# Altium PCB radxa_cm5_io_board_v2200.PcbDoc (part 1 of 8) (continued)
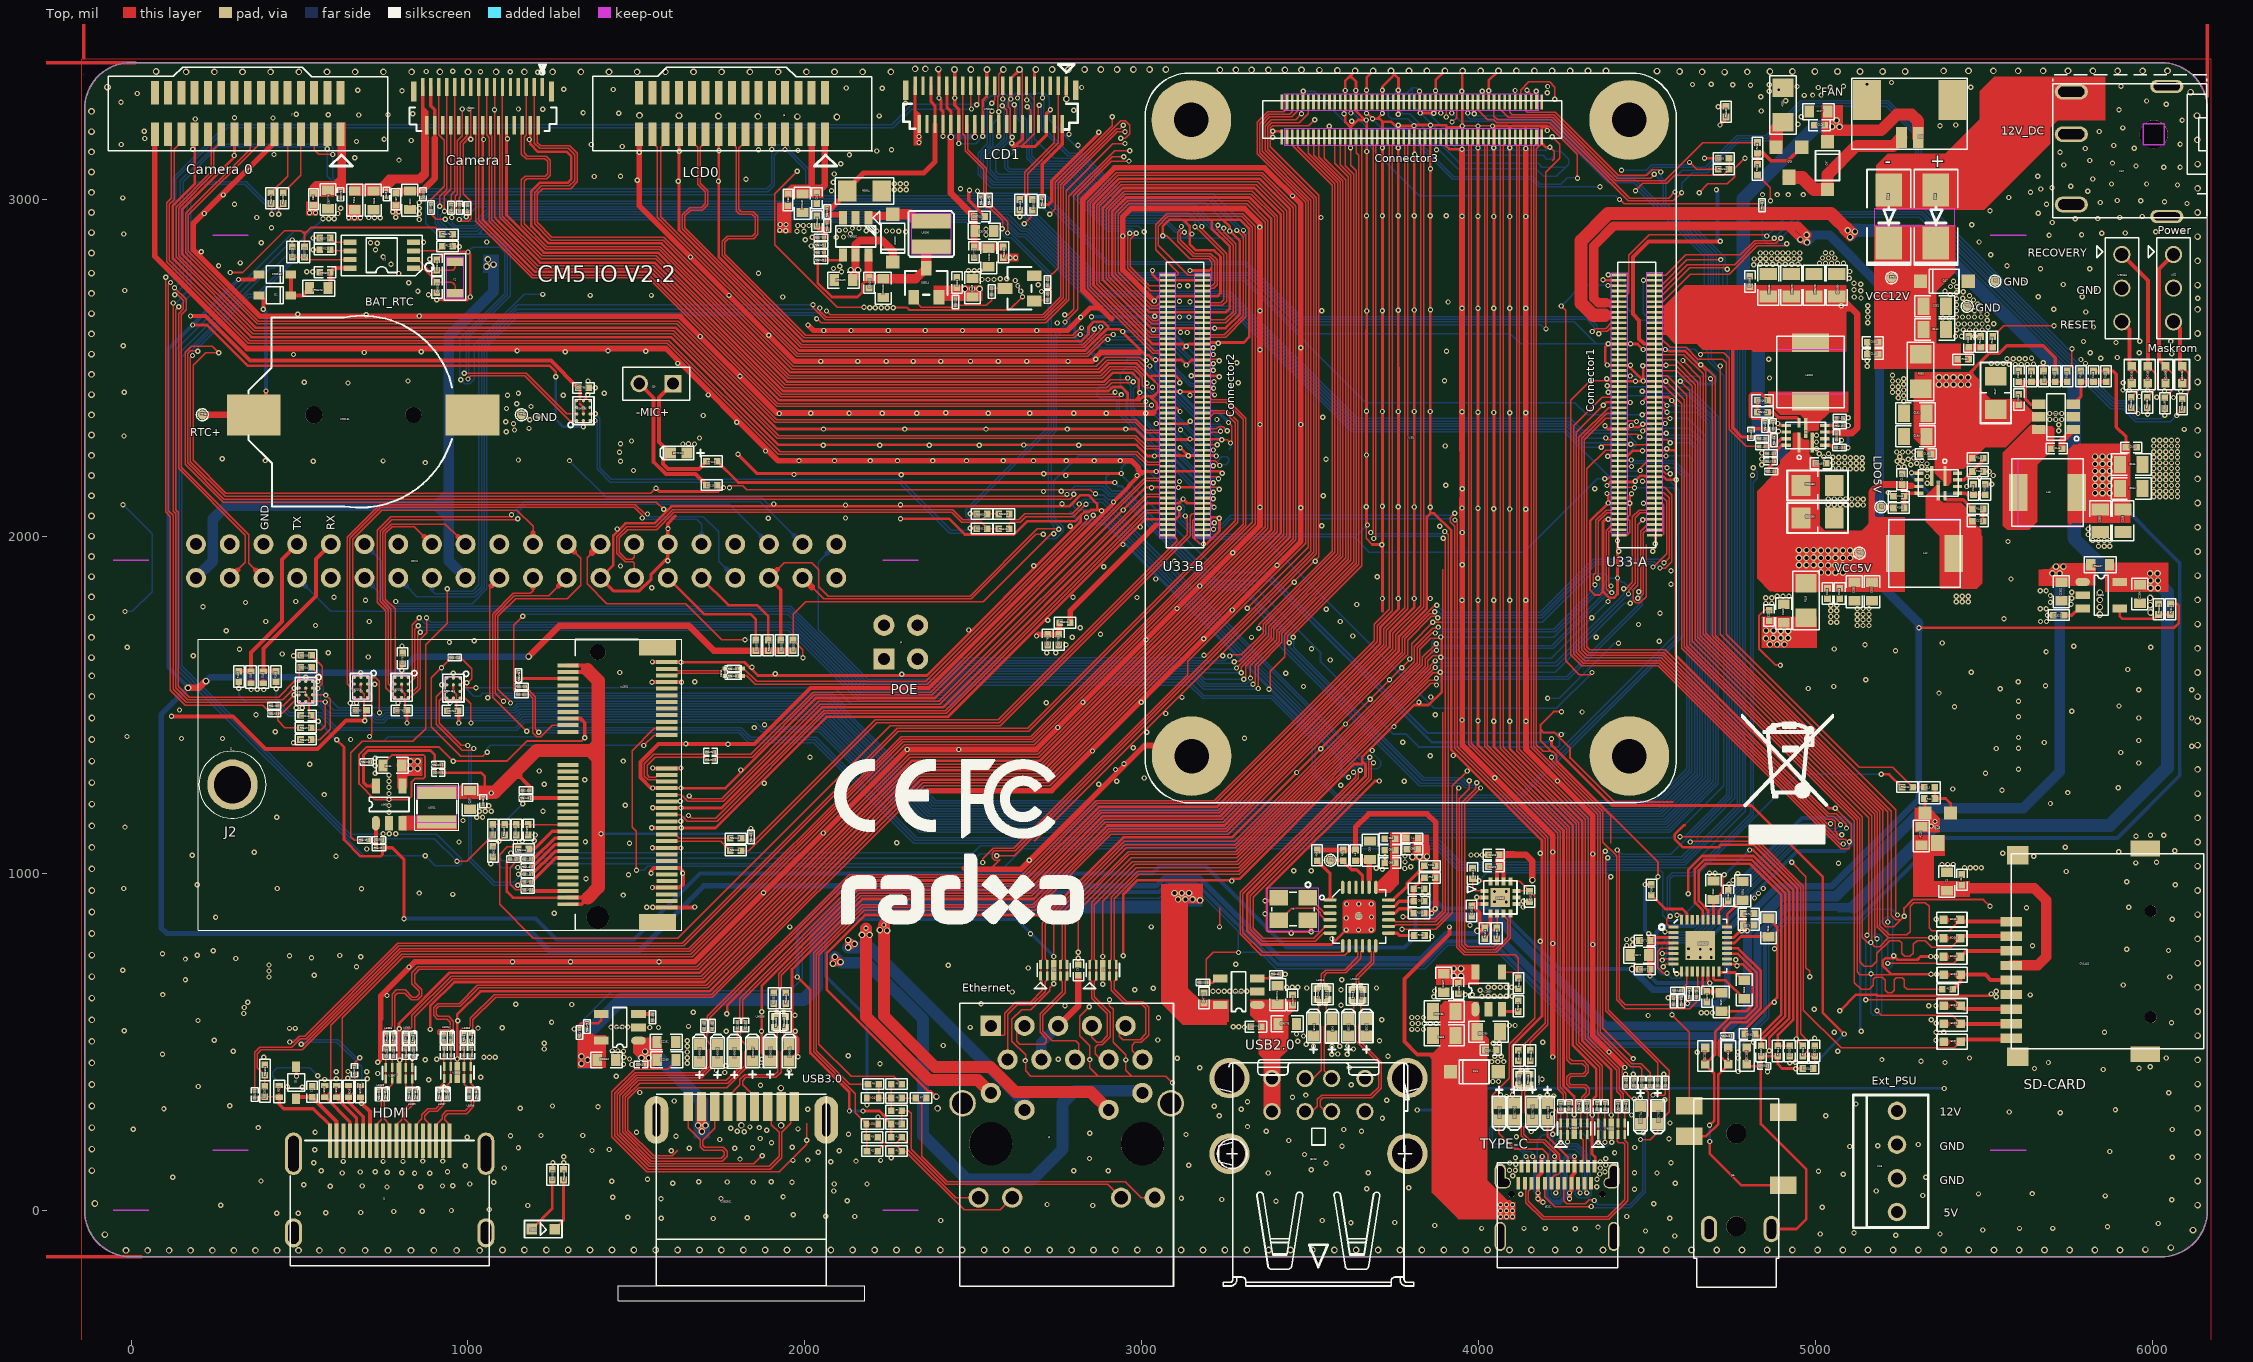
[diagram p0: Top view]
## Components (designator, comment, footprint, x,y, rotation, side; value= is the part's Value field where it differs from the comment) (continued)
D3 "ESD0402_1XD5" ESD0402_1XD5 2199.8,255.91 r180 top
D4 "ESD0402_1XD5" ESD0402_1XD5 2200.79,332.68 r0 top
D37 "SOD_123" SOD_123 5034.45,3099.41 r90 top
D41 "SOD_123" SOD_123 3986.22,410.43 r180 top
D45 "DO_214AC" DO_214AC 5356.3,2948.82 r270 top
D46 "DO_214AC" DO_214AC 5216.54,2948.82 r270 top
D47 "SOD_123" SOD_123 5380.91,2756.89 r180 top
D48 "ESD0402_1XD5" ESD0402_1XD5 392.72,1581.69 r90 top
D49 "ESD0402_1XD5" ESD0402_1XD5 356.3,1581.69 r90 top
D5000 "SOD_123" SOD_123 2260.82,2884.84 r270 top
D90031 "ESD0402" ESD0402 1952.76,467.52 r270 top
D90032 "ESD0402" ESD0402 1896.65,467.52 r270 top
D90033 "ESD0402" ESD0402 1740.16,466.54 r270 top
D90034 "ESD0402" ESD0402 1687.01,466.54 r270 top
D90035 "ESD0402" ESD0402 1790.35,466.54 r270 top
D90037 "ESD0402" ESD0402 1844.49,467.52 r270 top
D90038 "SOD_323" SOD_323 427.17,2776.57 r0 top
ED1 "ESD0402_1XD5" ESD0402_1XD5 439.96,352.36 r90 top
ED2 "ESD0402_1XD5" ESD0402_1XD5 574.8,352.36 r90 top
ED3 "ESD0402_1XD5" ESD0402_1XD5 610.24,352.36 r90 top
ED5 "ESD0402_1XD5" ESD0402_1XD5 645.67,352.36 r90 top
ED6 "ESD0402" ESD0402 3563.98,541.34 r270 top
ED9 "E0402N" E0402N 5404.53,500 r180 top
ED10 "E0402N" E0402N 5404.53,553.15 r180 top
ED11 "E0402N" E0402N 5404.53,606.3 r180 top
ED12 "E0402N" E0402N 5404.53,698.82 r180 top
ED13 "E0402N" E0402N 5403.54,751.97 r180 top
ED14 "E0402N" E0402N 5403.54,807.09 r180 top
ED15 "E0402N" E0402N 5403.54,862.2 r180 top
ED20 "ESD0402" ESD0402 3665.7,541.59 r270 top
ED21 "ESD0402" ESD0402 3612.55,541.59 r270 top
ED22 "ESD0402" ESD0402 3509.16,541.52 r270 top
ED2109 "E0402N" E0402N 4795.28,457.68 r90 top
ED2110 "E0402N" E0402N 4671.35,457.3 r90 top
ED2111 "E0402N" E0402N 4740.16,457.68 r90 top
ED4806 "E0402N" E0402N 6037.4,2479.33 r270 top
ED7104 "ESD0402" ESD0402 1625,2247.05 r0 top
ED9203 "E0402N" E0402N 6086.61,2479.33 r270 top
ED9204 "E0402N" E0402N 5937.01,2479.33 r270 top
ED9205 "E0402N" E0402N 5985.24,2479.33 r270 top
ED9206 "ESD0402_1XD5" ESD0402_1XD5 681.1,352.36 r90 top
ESD2701 "ESD0402" ESD0402 4530.51,282.48 r90 top
ESD2702 "ESD0402" ESD0402 4060.04,292.32 r90 top
ESD2703 "ESD0402" ESD0402 4203.74,292.32 r90 top
ESD2704 "ESD0402" ESD0402 4479.33,282.48 r90 top
ESD2706 "ESD0402" ESD0402 4104.57,292.65 r90 top
ESD27052 "ESD0402" ESD0402 4158.7,292.65 r90 top
FB2 "L0402" L0402 541.34,3000 r90 top
FB6 "L0402" L0402 1949.8,2998.03 r90 top
FB7 "L0402" L0402 786.42,3000 r90 top
FB261 "MCZ1210AH900L2" MCZ1210AH900L2 1812.01,1585.63 r90 top
J1 "HDMIA19S" HDMIA19S 767.72,206.69 r180 top
J2 "HOLE_D5_3D" HOLE_D5_3D 301.18,1262.6 r0 top
J3 "RJ45_HRK1" RJ45_HRK1 2551.39,547.01 r0 top
J4 "DIP4PIN-2_54MM-2X2" DIP4PIN-2_54MM-2X2 2234.28,1635.81 r90 top
J6 "FPC15PIN-1.0MM-LS" FPC15PIN-1.0MM-LS 2059.06,3192.91 r180 top
J7 "FPC15PIN-1.0MM-LS" FPC15PIN-1.0MM-LS 622.05,3192.91 r180 top
J10 "DIP2PIN-2P54MM" DIP2PIN-2P54MM 1608.27,2452.76 r270 top
J15 "PJ-327A" PJ-327A 4763.81,-48.05 r90 top
J24 "DF40C_100DS" DF40C_100DS 4245.47,3292.13 r270 top
J5002 "FH35C_31P_0_6SHW" FH35C_31P_0_6SHW 1220.47,3332.68 r180 top
J8202 "TYPEC-24PIN-SMD-OK" TYPEC-24PIN-SMD-OK 4063.14,-77.76 r0 top
J8203 "USB_DUAL" USB_DUAL 3523.65,167.31 r90 top
L3 "R0402" R0402 3633.86,1053.15 r90 top
L4 "L0402" L0402 3802.17,1104.33 r180 top
L12 "IND-5020" IND-5020 5321.85,1948.82 r180 top
L13 "IND-5020" IND-5020 5687.01,2129.92 r0 top
L5000 "IND_3X3" IND_3X3 2375,2896.65 r0 top
L5002 "IND-5020" IND-5020 4984.25,2487.2 r90 top
L5003 "SMD_TCM0605T" SMD_TCM0605T 1007.87,523.62 r270 top
L5004 "SMD_TCM0605T" SMD_TCM0605T 947.83,522.64 r270 top
L5005 "SMD_TCM0605T" SMD_TCM0605T 835.63,521.65 r270 top
L5006 "SMD_TCM0605T" SMD_TCM0605T 777.56,521.65 r270 top
L5007 "SMD_TCM0605T" SMD_TCM0605T 935.04,355.31 r270 top
L5008 "SMD_TCM0605T" SMD_TCM0605T 1023.62,355.31 r270 top
L5009 "SMD_TCM0605T" SMD_TCM0605T 845.47,355.31 r270 top
L5010 "SMD_TCM0605T" SMD_TCM0605T 754.92,355.31 r270 top
L5011 "IND_303015" IND_303015 907.48,1196.85 r90 top
L5012 "MCZ1210AH900L2" MCZ1210AH900L2 3524.91,616.33 r0 top
L90020 "MCZ1210AH900L2" MCZ1210AH900L2 4144.69,412.4 r180 top
L90026 "MCZ1210AH900L2" MCZ1210AH900L2 1937.01,583.66 r180 top
L90027 "MCZ1210AH900L2" MCZ1210AH900L2 3649.95,663.64 r180 top
LED4 "LED0603" LED0603 1223.43,-56.1 r0 top
P4 "TP_0R70" TP_0R70 5192.91,2086.61 r180 top
P6 "TP_0R70" TP_0R70 5531.5,2756.89 r180 top
Q1 "SOT23" SOT23 5361.63,1134.33 r180 top
Q15 "SOT23" SOT23 4919.93,3109.78 r180 top
Q9514 "SOT_23" SOT_23 2360.24,2751.97 r0 top
Q9515 "SOT_23" SOT_23 2636.81,2735.24 r90 top
R1 "R0402" R0402 2271.65,175.2 r0 top
R2 "R0402" R0402 2199.8,175.2 r180 top
R3 "R0402" R0402 2199.8,216.54 r0 top
R4 "R0402" R0402 2271.65,216.54 r180 top
R5 "R0402" R0402 2271.65,374.02 r180 top
R6 "R0402" R0402 2202.76,374.02 r0 top
R7 "R0402" R0402 2344.49,332.68 r180 top
R8 "R0402" R0402 2271.65,332.68 r180 top
R9 "R0402" R0402 2271.65,295.28 r0 top
R10 "R0402" R0402 2271.65,255.91 r180 top
R11 "R0402" R0402 5390.75,655.51 r0 top
R12 "R0402" R0402 5337.6,1221.46 r0 top
R13 "R0402" R0402 5337.11,1255.41 r180 top
R91 "R0402" R0402 3597.44,1053.15 r270 top
R94 "R0402" R0402 3854.33,986.22 r180 top
R96 "R0402" R0402 3519.69,1053.15 r270 top
R97 "R0402" R0402 3821.85,953.74 r180 top
R102 "R0402" R0402 3823.82,814.96 r0 top
R105 "R0402" R0402 3854.33,1021.65 r180 top
R106 "R0402" R0402 3822.04,881.2 r180 top
R120 "R0402" R0402 575.79,2850.39 r180 top
R121 "R0402" R0402 938.98,2860.24 r180 top
R147 "R0402" R0402 5480.31,2080.71 r0 top
R148 "R1206" R1206 4970.96,1809.55 r90 top
R149 "R0402" R0402 5480.31,2231.3 r180 top
R150 "R1206" R1206 5311.02,2489.17 r90 top
R151 "R0402" R0402 5437.01,2524.61 r180 top
R152 "R0402" R0402 5480.31,2191.93 r180 top
R153 "R0402" R0402 5524.61,2576.77 r270 top
R154 "R0402" R0402 5489.17,2576.77 r270 top
R155 "R0402" R0402 5246.06,2083.66 r0 top
R156 "R0402" R0402 5502.95,2138.78 r270 top
R157 "R0402" R0402 5861.22,2474.41 r270 top
R158 "R0402" R0402 5710.63,2474.41 r270 top
R159 "R0402" R0402 5746.06,2474.41 r270 top
R160 "R0402" R0402 5639.76,2474.41 r90 top
R161 "R0402" R0402 5786.42,2474.41 r90 top
R167 "R0402" R0402 319.88,1583.66 r270 top
R168 "R0402" R0402 430.12,1583.66 r270 top
R214 "R0402" R0402 4826.77,3087.6 r270 top
R215 "R0402" R0402 4826.77,3152.56 r90 top
R220 "R0603" R0603 5312.99,1110.24 r270 top
R249 "R0402" R0402 3622.39,639.03 r90 top
R250 "R0402" R0402 3655.85,639.03 r90 top
R253 "R0402" R0402 3519,640.93 r270 top
R254 "R0402" R0402 3552.47,640.93 r270 top
R316 "R0603" R0603 663.88,2996.56 r90 top
R353 "R1206" R1206 4902.56,3279.53 r90 top
R396 "R0402" R0402 4511.81,950.79 r270 top
R715 "R0201" R0201 998.03,2973.43 r90 top
R814 "R0201" R0201 949.8,2974.41 r90 top
R952 "R0201" R0201 1009.84,512.8 r270 top
R953 "R0201" R0201 987.2,512.8 r270 top
R954 "R0201" R0201 948.82,511.81 r270 top
R955 "R0201" R0201 928.15,511.81 r270 top
R956 "R0201" R0201 837.6,510.83 r270 top
R957 "R0201" R0201 814.96,510.83 r270 top
R958 "R0201" R0201 778.54,510.83 r270 top
R959 "R0201" R0201 757.87,510.83 r270 top
R2004 "R0201" R0201 4530.51,377.95 r270 top
R2005 "R0201" R0201 4553.15,377.95 r90 top
R2006 "R0201" R0201 4437.01,377.95 r90 top
R2007 "R0201" R0201 4459.65,377.95 r270 top
R2013 "R0201" R0201 4412.79,308.07 r270 top
R2015 "R0201" R0201 4436.41,308.07 r270 top
R2016 "R0201" R0201 4297.25,308.06 r270 top
R2017 "R0201" R0201 4320.87,308.06 r270 top
R2311 "R0402" R0402 6052.17,1783.46 r270 top
R2322 "R0402" R0402 5720.47,1765.75 r180 top
R2611 "R0402" R0402 4117.13,673.23 r270 top
R2612 "R0402" R0402 4117.13,605.31 r90 top
R2613 "R0402" R0402 4017.35,821.62 r270 top
R4203 "R0402" R0402 4726.38,3122.05 r180 top
R5004 "R1206" R1206 2176.18,3024.61 r0 top
R7120 "R0402" R0402 1723.43,2222.44 r180 top
R7125 "R0402" R0402 1723.43,2151.57 r0 top
R7313 "R0402" R0402 4886.81,472.44 r90 top
R7314 "R0402" R0402 4976.38,420.28 r180 top
R7315 "R0402" R0402 4960.63,472.44 r270 top
R9241 "R0201" R0201 4840.55,2982.28 r90 top
R90334 "R0402" R0402 4726.38,3088.58 r0 top
R90337 "R0201" R0201 4600.39,620.08 r90 top
R90338 "R0201" R0201 4737.2,516.73 r180 top
R90340 "R0201" R0201 4589.48,652.28 r180 top
R90341 "R0201" R0201 4577.76,620.08 r270 top
R91181 "R0201" R0201 1700.79,547.24 r270 top
R91182 "R0201" R0201 1724.48,547.34 r270 top
R91188 "R0402" R0402 4152.56,458.66 r270 top
R91189 "R0402" R0402 4117.13,458.66 r270 top
R91193 "R0201" R0201 1547.7,572.53 r270 top
R91375 "R0201" R0201 1330.71,527.56 r90 top
R95028 "R0402" R0402 478.35,2843.5 r90 top
R95039 "R0201" R0201 2047.24,2818.9 r0 top
R95041 "R0201" R0201 2446.85,2694.88 r270 top
R95042 "R0201" R0201 2719.49,2753.94 r270 top
R95043 "R0201" R0201 2719.49,2710.63 r90 top
R95044 "R0201" R0201 2554.13,2726.38 r90 top
R95071 "R0201" R0201 2065.94,2963.58 r90 top
R95072 "R0201" R0201 2065.94,2921.26 r90 top
R95073 "R0201" R0201 2047.24,2886.81 r0 top
R95113 "R0201" R0201 5069.88,2262.8 r180 top
R95114 "R0201" R0201 4865.16,2246.06 r0 top
R95115 "R0402" R0402 4841.54,2368.11 r180 top
R95116 "R0201" R0201 4840.55,2266.73 r180 top
R95117 "R0201" R0201 5070.87,2351.38 r0 top
R95118 "R0201" R0201 4875.98,2284.45 r270 top
R95119 "R0201" R0201 5070.87,2328.74 r180 top
R95120 "R0201" R0201 4840.55,2289.37 r0 top
R95121 "R0201" R0201 4849.41,2328.74 r270 top
R95122 "R0201" R0201 4867.13,2191.93 r0 top
R95137 "R0201" R0201 2047.24,2864.17 r0 top
R95141 "R0201" R0201 1788.88,1607.78 r0 top
R95142 "R0201" R0201 1788.88,1585.14 r0 top
R95143 "R0201" R0201 1172.2,1223.41 r0 top
R95144 "R0402" R0402 1794.29,1103.35 r180 top
R95145 "R0402" R0402 1165.31,1071.84 r0 top
R95146 "R0402" R0402 1794.29,1066.93 r180 top
R95147 "R0201" R0201 1177.13,1042.31 r0 top
R95148 "R0201" R0201 1177.13,1019.67 r0 top
R95149 "R0201" R0201 1177.13,997.03 r0 top
R95150 "R0201" R0201 1177.13,974.4 r0 top
R95151 "R0201" R0201 1839.57,1107.28 r90 top
R95152 "R0201" R0201 1177.13,950.77 r0 top
R95153 "R0201" R0201 1172.2,1246.05 r0 top
R95154 "R0201" R0201 1134.8,1042.31 r180 top
R95155 "R0402" R0402 1073.78,1128.92 r90 top
R95159 "R0402" R0402 1143.66,1128.92 r270 top
R95209 "R0201" R0201 736.22,1075.79 r180 top
R95210 "R0201" R0201 699.76,1329.71 r0 top
R95239 "R0201" R0201 692.91,1098.43 r0 top
R95263 "R0201" R0201 937.01,344.49 r270 top
R95264 "R0201" R0201 914.37,344.49 r270 top
R95265 "R0201" R0201 1025.59,344.49 r270 top
R95266 "R0201" R0201 1002.95,344.49 r270 top
R95267 "R0201" R0201 824.8,344.49 r270 top
R95268 "R0201" R0201 846.46,344.49 r270 top
R95269 "R0201" R0201 756.89,344.49 r270 top
R95270 "R0201" R0201 734.25,344.49 r270 top
R95281 "R0201" R0201 911.42,1321.85 r180 top
R95282 "R0402" R0402 397.15,351.87 r270 top
R95373 "R0603" R0603 557.09,2736.22 r0 top
R95374 "R0402" R0402 514.76,2843.5 r90 top
R95375 "R0402" R0402 938.98,2895.67 r0 top
R95377 "R0402" R0402 575.79,2884.84 r180 top
R95467 "R0201" R0201 2703.74,2994.09 r90 top
R95468 "R0402" R0402 2637.8,2983.27 r90 top
R95469 "R0201" R0201 425.2,1474.41 r180 top
R95470 "R0201" R0201 425.2,1497.05 r180 top
R95471 "R0201" R0201 2546.26,2998.03 r90 top
R95472 "R0201" R0201 2522.63,2998.03 r90 top
R95495 "R0402" R0402 6035.43,2394.68 r90 top
R95530 "R0402" R0402 2588.58,2842.52 r90 top
R95541 "R0402" R0402 2674.21,2983.27 r270 top
R95546 "R0402" R0402 4151.57,387.8 r270 top
R95547 "R0402" R0402 4117.13,387.8 r270 top
R95550 "R0402" R0402 1942.91,559.06 r270 top
R95551 "R0402" R0402 1942.91,628.94 r270 top
R95552 "R0402" R0402 1907.48,628.94 r270 top
R95553 "R0402" R0402 1908.46,559.06 r270 top
R95555 "R0201" R0201 3181.1,675.2 r180 top
R95556 "R0201" R0201 3398.62,700.79 r0 top
R95557 "R0402" R0402 4492.13,714.57 r0 top
R95558 "R0201" R0201 4624.38,642.9 r90 top
R95570 "R0402" R0402 451.77,3002.95 r90 top
R95571 "R0402" R0402 415.35,3002.95 r90 top
R95572 "R0402" R0402 5675.2,2474.41 r270 top
R95573 "R0201" R0201 4645.67,642.72 r270 top
R95578 "R0201" R0201 2047.24,2841.54 r0 top
R95579 "R0201" R0201 1353.35,545.28 r270 top
R95580 "R0201" R0201 889.76,2975.39 r90 top
R95581 "R0402" R0402 1109.21,1128.92 r90 top
R95582 "R0402" R0402 6086.61,2391.73 r90 top
R95583 "R0201" R0201 1159.45,1554.13 r180 top
R95584 "R0402" R0402 5936.02,2396.65 r90 top
R95585 "R0402" R0402 5983.27,2396.65 r90 top
R95586 "R0201" R0201 1158.43,1530.5 r0 top
R95587 "R0201" R0201 960.63,1639.76 r180 top
R95589 "R0402" R0402 4733.27,3259.84 r90 top
R95590 "R0402" R0402 1890.75,1676.18 r90 top
R95591 "R0402" R0402 1854.33,1676.18 r90 top
R95592 "R0402" R0402 1964.57,1676.18 r90 top
R95593 "R0402" R0402 1928.15,1676.18 r90 top
R95594 "R0402" R0402 519.69,1611.22 r180 top
R95595 "R0402" R0402 519.69,1646.65 r180 top
R95596 "R0402" R0402 518.7,1396.65 r180 top
R95597 "R0402" R0402 518.7,1432.09 r180 top
R95598 "R0201" R0201 1149.61,1587.6 r90 top
R95599 "R0402" R0402 4052.78,821.62 r90 top
R95602 "R0402" R0402 1283.46,105.31 r90 top
R95603 "R0402" R0402 1250,105.31 r270 top
R95606 "R0402" R0402 6016.73,1783.46 r270 top
R95607 "R0603" R0603 5843.5,1915.35 r180 top
R95609 "R0402" R0402 2525.59,2065.94 r0 top
R95610 "R0402" R0402 2590.55,2065.94 r180 top
R95611 "R0402" R0402 2590.55,2022.64 r0 top
R95612 "R0402" R0402 2525.59,2022.64 r180 top
R95613 "R0402" R0402 5271.16,1255.41 r0 top
R95614 "R0402" R0402 1073.82,1063.98 r270 top
R95615 "R0402" R0402 397.15,415.85 r90 top
R95616 "R0402" R0402 2771.65,1743.11 r180 top
TP6 "TP_0R70" TP_0R70 3559.06,1038.39 r0 top
TP9 "TP_0R70" TP_0R70 5224.41,2766.73 r0 top
TP10 "TP_0R70" TP_0R70 5128.94,1949.8 r180 top
TP11 "TP_0R70" TP_0R70 5448.82,2682.09 r0 top
TP14 "TP_0R70" TP_0R70 1158.46,2360.24 r0 top
TP16 "TP_0R70" TP_0R70 211.61,2360.24 r0 top
U1 "QFN12_2R00X3R00X1R00" QFN12_2R00X3R00X1R00 4969.49,2299.21 r90 top
U3 "MSOP8" MSOP8 744.09,2832.68 r180 top
U5 "SON10_2R50X1R00X0R50" SON10_2R50X1R00X0R50 2738.4,712.36 r0 top
U6 "SON10_2R50X1R00X0R50" SON10_2R50X1R00X0R50 2884.07,712.36 r0 top
U17 "QFN24" QFN24 3644.87,871.36 r270 top
U26 "SMD_1D25X2PIN_90" SMD_1D25X2PIN_90 5303.15,3183.07 r0 top
U27 "QFN12_2R00X3R00X1R00" QFN12_2R00X3R00X1R00 5363.19,2157.48 r270 top
U28 "XIAO_4PIN_2D54" XIAO_4PIN_2D54 5240.58,294.87 r270 top
U29 "SOT_23_6" SOT_23_6 5712.6,2354.33 r90 top
U32 "DIP3_1X2P54" DIP3_1X2P54 6061.05,2736.2 r270 top
U33 "DF40C-200DS-D4-OK" DF40C-200DS-D4-OK 3796.46,2291.54 r0 top
U37 "DC-044A" DC-044A 6159.45,3192.91 r90 top
U2305 "SOT_23_5" SOT_23_5 5846.46,1824.8 r0 top
U2602 "MLP14_2R50X2R50X0R80" MLP14_2R50X2R50X0R80 4063.61,927.92 r0 top
U2603 "SOT_23_5" SOT_23_5 4028.54,651.57 r90 top
U3806 "SON10_2R50X1R00X0R50" SON10_2R50X1R00X0R50 968.5,408.46 r0 top
U3807 "SON10_2R50X1R00X0R50" SON10_2R50X1R00X0R50 795.28,406.5 r180 top
U4301 "M2_NGFF_KEY_E_1" M2_NGFF_KEY_E_1 1443.12,1262.17 r270 top
U90040 "SON10_2R50X1R00X0R50" SON10_2R50X1R00X0R50 4393.1,242.12 r0 top
U90077 "SOT_23_5" SOT_23_5 765.71,1203.73 r90 top
U90082 "SOT23-6" SOT23-6 2150.59,2889.76 r180 top
U90089 "CSP-12" CSP-12 499.02,1568.9 r0 top
U90104 "LCD39PIN-OK" LCD39PIN-OK 2775.59,3336.61 r90 top
U90115 "SOT_23_5" SOT_23_5 1450.79,542.32 r180 top
U90127 "SON10_2R50X1R00X0R50" SON10_2R50X1R00X0R50 4282.49,242.11 r0 top
U90128 "SOT_23_5" SOT_23_5 3287.4,648.62 r180 top
U90129 "QFN32P4X4" QFN32P4X4 4656.68,785.07 r0 top
U90131 "BAT_CR1220" BAT_CR1220 692.91,2360.24 r90 top
U90132 "CSP-12" CSP-12 783.46,1580.71 r0 top
U90133 "CSP-12" CSP-12 662.4,1580.71 r0 top
U90134 "DIP3_1X2P54" DIP3_1X2P54 5907.9,2736.2 r270 top
U90135 "CSP-12" CSP-12 937.01,1578.74 r0 top
U90136 "CSP-12" CSP-12 1361.96,2343.08 r180 top
USB2502 "USB30-L1" USB30-L1 1811.09,307.18 r0 top
Y1 "CRY4_3R20X2R50X0R80" CRY4_3R20X2R50X0R80 3448.83,893.71 r180 top
Y2 "3215_2PIN" 3215_2PIN 961.61,2813.98 r270 top

## Footprints (in the part's own frame and the unit in brackets; to place one, negate y for a bottom-side part, rotate by r counter-clockwise, add the part's x,y. Pads: shape width x height; smd on the part's side, far side on the other; paste and mask are expansions set on the pad)
3215_2PIN [mm]
  rect 0.65x1.3 smd: 1(0,0) 2(2.35,0)
  silkscreen extent -0.6,-0.8 2.9,0.8
BAT_CR1220 [mm]
  rect 3.099x4.064 smd: 1(0,8.348) 2(0,-8.134)
  round 1.2 hole 1.2 unplated: 3(0,-3.685)
  round 1.3 hole 1.3 unplated: 4(0,3.815)
  silkscreen extent -6.99,-6.61 7.47,8.76
C0201 [mm]
  rect 0.3x0.3 smd: 1(-0.25,0) 2(0.25,0)
  silkscreen extent -0.5,-0.25 0.5,0.25
C0402 [mm]
  rect 0.5x0.5 smd: 1(-0.4,0) 2(0.4,0)
  silkscreen extent -0.8,-0.4 0.8,0.4
C0603 [mm]
  rect 0.7x0.9 smd: 1(-0.7,0) 2(0.7,0)
  silkscreen extent -1.2,-0.6 1.2,0.6
C0805 [mm]
  rect 0.9x1.3 smd: 1(-0.85,0) 2(0.85,0)
  silkscreen extent -1.5,-0.8 1.5,0.8
C1206 [mil]
  rect 55x63 smd mask+2.5: 1(-49.21,0) 2(49.21,0)
  silkscreen extent -90,-46 90,46
CRY4_3R20X2R50X0R80 [mm]
  rect 1.4x1.2 smd: 1(-1.1,-0.85) 2(1.1,-0.85) 3(1.1,0.85) 4(-1.1,0.85)
  silkscreen extent -1.6,-2.02 1.6,1.26
CSP-12 [mm]
  round 0.24 smd mask+0.03: A1(0,0) A2(0.5,0) A3(1,0) B1(0,-0.5) B2(0.5,-0.5) B3(1,-0.5) C1(0,-1) C2(0.5,-1) C3(1,-1) D1(0,-1.5) D2(0.5,-1.5) D3(1,-1.5)
  silkscreen extent -0.3,-1.8 1.66,0.53
DC-044A [mm]
  oval 1.2x2.5 / inner oval 1.2x2.5 / far side oval 1.5x2.8 hole 0.787 slot 1.981 at 90 deg: 1(3.2,10.2) 2(-5.3,10.2) 3(0,10.2)
  oval 1x2.5 / inner oval 1x2.5 / far side oval 1.2x2.8 hole 0.6 slot 1.981 at 90 deg: 4(-6.2,3) 5(3.6,3)
  round 2.12 hole 2.12: 6(-0.009,3.991)
  silkscreen extent -6.3,0 4.5,11.6
DF40C-200DS-D4-OK [mm]
  rect 1.14x0.2 smd: 1(18.39,-7.32) 2(15.73,-7.32) 3(18.39,-6.92) 4(15.73,-6.92) 5(18.39,-6.52) 6(15.73,-6.52) 7(18.39,-6.12) 8(15.73,-6.12) 9(18.39,-5.72) 10(15.73,-5.72) 11(18.39,-5.32) 12(15.73,-5.32) 13(18.39,-4.92) 14(15.73,-4.92) 15(18.39,-4.52) 16(15.73,-4.52) 17(18.39,-4.12) 18(15.73,-4.12) 19(18.39,-3.72) 20(15.73,-3.72) 21(18.39,-3.32) 22(15.73,-3.32) 23(18.39,-2.92) 24(15.73,-2.92) 25(18.39,-2.52) 26(15.73,-2.52) 27(18.39,-2.12) 28(15.73,-2.12) 29(18.39,-1.72) 30(15.73,-1.72) 31(18.39,-1.32) 32(15.73,-1.32) 33(18.39,-0.92) 34(15.73,-0.92) 35(18.39,-0.52) 36(15.73,-0.52) 37(18.39,-0.12) 38(15.73,-0.12) 39(18.39,0.28) 40(15.73,0.28) 41(18.39,0.68) 42(15.73,0.68) 43(18.39,1.08) 44(15.73,1.08) 45(18.39,1.48) 46(15.73,1.48) 47(18.39,1.88) 48(15.73,1.88) 49(18.39,2.28) 50(15.73,2.28) 51(18.39,2.68) 52(15.73,2.68) 53(18.39,3.08) 54(15.73,3.08) 55(18.39,3.48) 56(15.73,3.48) 57(18.39,3.88) 58(15.73,3.88) 59(18.39,4.28) 60(15.73,4.28) 61(18.39,4.68) 62(15.73,4.68) 63(18.39,5.08) 64(15.73,5.08) 65(18.39,5.48) 66(15.73,5.48) 67(18.39,5.88) 68(15.73,5.88) 69(18.39,6.28) 70(15.73,6.28) 71(18.39,6.68) 72(15.73,6.68) 73(18.39,7.08) 74(15.73,7.08) 75(18.39,7.48) 76(15.73,7.48) 77(18.39,7.88) 78(15.73,7.88) 79(18.39,8.28) 80(15.73,8.28) 81(18.39,8.68) 82(15.73,8.68) 83(18.39,9.08) 84(15.73,9.08) 85(18.39,9.48) 86(15.73,9.48) 87(18.39,9.88) 88(15.73,9.88) 89(18.39,10.28) 90(15.73,10.28) 91(18.39,10.68) 92(15.73,10.68) 93(18.39,11.08) 94(15.73,11.08) 95(18.39,11.48) 96(15.73,11.48) 97(18.39,11.88) 98(15.73,11.88) 99(18.39,12.28) 100(15.73,12.28) 101(-15.68,-7.32) 102(-18.32,-7.32) 103(-15.68,-6.92) 104(-18.32,-6.92) 105(-15.68,-6.52) 106(-18.32,-6.52) 107(-15.68,-6.12) 108(-18.32,-6.12) 109(-15.68,-5.72) 110(-18.32,-5.72) 111(-15.68,-5.32) 112(-18.32,-5.32) 113(-15.68,-4.92) 114(-18.32,-4.92) 115(-15.68,-4.52) 116(-18.32,-4.52) 117(-15.68,-4.12) 118(-18.32,-4.12) 119(-15.68,-3.72) 120(-18.32,-3.72) 121(-15.68,-3.32) 122(-18.32,-3.32) 123(-15.68,-2.92) 124(-18.32,-2.92) 125(-15.68,-2.52) 126(-18.32,-2.52) 127(-15.68,-2.12) 128(-18.32,-2.12) 129(-15.68,-1.72) 130(-18.32,-1.72) 131(-15.68,-1.32) 132(-18.32,-1.32) 133(-15.68,-0.92) 134(-18.32,-0.92) 135(-15.68,-0.52) 136(-18.32,-0.52) 137(-15.68,-0.12) 138(-18.32,-0.12) 139(-15.68,0.28) 140(-18.32,0.28) 141(-15.68,0.68) 142(-18.32,0.68) 143(-15.68,1.08) 144(-18.32,1.08) 145(-15.68,1.48) 146(-18.32,1.48) 147(-15.68,1.88) 148(-18.32,1.88) 149(-15.68,2.28) 150(-18.32,2.28) 151(-15.68,2.68) 152(-18.32,2.68) 153(-15.68,3.08) 154(-18.32,3.08) 155(-15.68,3.48) 156(-18.32,3.48) 157(-15.68,3.88) 158(-18.32,3.88) 159(-15.68,4.28) 160(-18.32,4.28) 161(-15.68,4.68) 162(-18.32,4.68) 163(-15.68,5.08) 164(-18.32,5.08) 165(-15.68,5.48) 166(-18.32,5.48) 167(-15.68,5.88) 168(-18.32,5.88) 169(-15.68,6.28) 170(-18.32,6.28) 171(-15.68,6.68) 172(-18.32,6.68) 173(-15.68,7.08) 174(-18.32,7.08) 175(-15.68,7.48) 176(-18.32,7.48) 177(-15.68,7.88) 178(-18.32,7.88) 179(-15.68,8.28) 180(-18.32,8.28) 181(-15.68,8.68) 182(-18.32,8.68) 183(-15.68,9.08) 184(-18.32,9.08) 185(-15.68,9.48) 186(-18.32,9.48) 187(-15.68,9.88) 188(-18.32,9.88) 189(-15.68,10.28) 190(-18.32,10.28) 191(-15.68,10.68) 192(-18.32,10.68) 193(-15.68,11.08) 194(-18.32,11.08) 195(-15.68,11.48) 196(-18.32,11.48) 197(-15.68,11.88) 198(-18.32,11.88) 199(-15.68,12.28) 200(-18.32,12.28)
  round 6 / inner round 4 / far side round 6 hole 2.6: 201(16.51,-23.98) 202(-16.49,-23.98) 203(-16.51,23.97) 204(16.49,23.97)
  silkscreen extent -19.99,-27.48 20.03,27.5
DF40C_100DS [mm]
  rect 1.14x0.2 smd: 1(2.73,-1.5) 2(0.09,-1.5) 3(2.73,-1.9) 4(0.09,-1.9) 5(2.73,-2.3) 6(0.09,-2.3) 7(2.73,-2.7) 8(0.09,-2.7) 9(2.73,-3.1) 10(0.09,-3.1) 11(2.73,-3.5) 12(0.09,-3.5) 13(2.73,-3.9) 14(0.09,-3.9) 15(2.73,-4.3) 16(0.09,-4.3) 17(2.73,-4.7) 18(0.09,-4.7) 19(2.73,-5.1) 20(0.09,-5.1) 21(2.73,-5.5) 22(0.09,-5.5) 23(2.73,-5.9) 24(0.09,-5.9) 25(2.73,-6.3) 26(0.09,-6.3) 27(2.73,-6.7) 28(0.09,-6.7) 29(2.73,-7.1) 30(0.09,-7.1) 31(2.73,-7.5) 32(0.09,-7.5) 33(2.73,-7.9) 34(0.09,-7.9) 35(2.73,-8.3) 36(0.09,-8.3) 37(2.73,-8.7) 38(0.09,-8.7) 39(2.73,-9.1) 40(0.09,-9.1) 41(2.73,-9.5) 42(0.09,-9.5) 43(2.73,-9.9) 44(0.09,-9.9) 45(2.73,-10.3) 46(0.09,-10.3) 47(2.73,-10.7) 48(0.09,-10.7) 49(2.73,-11.1) 50(0.09,-11.1) 51(2.73,-11.5) 52(0.09,-11.5) 53(2.73,-11.9) 54(0.09,-11.9) 55(2.73,-12.3) 56(0.09,-12.3) 57(2.73,-12.7) 58(0.09,-12.7) 59(2.73,-13.1) 60(0.09,-13.1) 61(2.73,-13.5) 62(0.09,-13.5) 63(2.73,-13.9) 64(0.09,-13.9) 65(2.73,-14.3) 66(0.09,-14.3) 67(2.73,-14.7) 68(0.09,-14.7) 69(2.73,-15.1) 70(0.09,-15.1) 71(2.73,-15.5) 72(0.09,-15.5) 73(2.73,-15.9) 74(0.09,-15.9) 75(2.73,-16.3) 76(0.09,-16.3) 77(2.73,-16.7) 78(0.09,-16.7) 79(2.73,-17.1) 80(0.09,-17.1) 81(2.73,-17.5) 82(0.09,-17.5) 83(2.73,-17.9) 84(0.09,-17.9) 85(2.73,-18.3) 86(0.09,-18.3) 87(2.73,-18.7) 88(0.09,-18.7) 89(2.73,-19.1) 90(0.09,-19.1) 91(2.73,-19.5) 92(0.09,-19.5) 93(2.73,-19.9) 94(0.09,-19.9) 95(2.73,-20.3) 96(0.09,-20.3) 97(2.73,-20.7) 98(0.09,-20.7) 99(2.73,-21.1) 100(0.09,-21.1)
  silkscreen extent 0,-22.54 2.84,0.01
DIP2PIN-2P54MM [mm]
  rect 1.3x1.3 / inner rect 1.5x1.5 / far side rect 1.5x1.5 hole 0.9 mask+0.1: 1(0,0)
  round 1.3 / inner round 1.5 / far side round 1.5 hole 0.9 mask+0.1: 2(0,-2.54)
  silkscreen extent -1.25,-3.79 1.25,1.25
DIP3_1X2P54 [mm]
  round 1.3 / inner round 1.3 / far side round 1.6 hole 1: 1(-2.54,0) 2(0,0) 3(2.54,0)
  silkscreen extent -3.81,-1.9 3.81,1.27
DIP4PIN-2_54MM-2X2 [mm]
  round 1.6 / inner round 1.27 / far side round 1.6 hole 0.889: 1(2.54,-2.54) 2(2.54,0) 3(0,-2.54)
  rect 1.6x1.6 hole 0.889: 4(0,0)
DIP40PIN_2D54MM [mm]
  round 1.5 / inner round 1.15 / far side round 1.5 hole 0.9: 1(0,-2.54) 2(0,0) 3(2.54,-2.54) 4(2.54,0) 5(5.08,-2.54) 6(5.08,0) 7(7.62,-2.54) 8(7.62,0) 9(10.16,-2.54) 10(10.16,0) 11(12.7,-2.54) 12(12.7,0) 13(15.24,-2.54) 14(15.24,0) 15(17.78,-2.54) 16(17.78,0) 17(20.32,-2.54) 18(20.32,0) 19(22.86,-2.54) 20(22.86,0) 21(25.4,-2.54) 22(25.4,0) 23(27.94,-2.54) 24(27.94,0) 25(30.48,-2.54) 26(30.48,0) 27(33.02,-2.54) 28(33.02,0) 29(35.56,-2.54) 30(35.56,0) 31(38.1,-2.54) 32(38.1,0) 33(40.64,-2.54) 34(40.64,0) 35(43.18,-2.54) 36(43.18,0) 37(45.72,-2.54) 38(45.72,0) 39(48.26,-2.54) 40(48.26,0)
DO_214AC [mm]
  rect 2.5x2 smd mask+0.05: 1(-2,0) 2(2,0)
  silkscreen extent -3.54,-1.65 3.68,1.65
E0402N [mil]
  rrect0% 25x25 smd: 1(-25,0) 2(25,0)
  Top region: 12.5,7 6,0.5 12.75,-6.25 12.75,6.5 12.5,6.5 12.5,7
  Top region: 14.5,11 3.75,0.25 14.75,-10.75 14.75,10.5 14.5,10.5 14.5,11
  Top region: -12,-6.5 -5.5,0 -12.25,6.75 -12.25,-6 -12,-6 -12,-6.5
  Top region: -14,-10.5 -3.25,0.25 -14.25,11.25 -14.25,-10 -14,-10 -14,-10.5
  Top lines w2: 20,7.5 12.5,7.5 ; 20,-7 12.5,-7 ; 18.5,6 11,6 ; 18.5,-5.5 11,-5.5 ; 17.5,-4 10,-4 ; 17,4.5 9.5,4.5 ; 16.5,-3 9,-3 ; 16,3 8.5,3 ; 15.5,-2 8,-2 ; 14.5,2 7,2 ; 14,-1 6.5,-1 ; 13.5,1 6,1 ; 13,0 5.5,0 ; -5,0.5 -12.5,0.5 ; -5.5,-0.5 -13,-0.5 ; -6,1.5 -13.5,1.5 ; -6.5,-1.5 -14,-1.5 ; -7.5,2.5 -15,2.5 ; -8,-2.5 -15.5,-2.5 ; -8.5,3.5 -16,3.5 ; -9,-4 -16.5,-4 ; -9.5,4.5 -17,4.5 ; -10.5,6 -18,6 ; -10.5,-5.5 -18,-5.5 ; -12,7.5 -19.5,7.5 ; -12,-7 -19.5,-7
  silkscreen extent -45,-22 45,22
ESD0402 [mil]
  rect 33.3x33.3 smd: 1(-25,0) 2(25,0)
  silkscreen extent -55,-20 75,20
ESD0402_1XD5 [mm]
  rect 0.4x0.55 smd: 1(-0.45,0) 2(0.45,0)
  Top region: 0.318,0.178 0.152,0.013 0.324,-0.159 0.324,0.165 0.318,0.165 0.318,0.178
  Top region: 0.368,0.279 0.095,0.006 0.375,-0.273 0.375,0.267 0.368,0.267 0.368,0.279
  Top region: -0.305,-0.165 -0.14,0 -0.311,0.171 -0.311,-0.152 -0.305,-0.152 -0.305,-0.165
  Top region: -0.356,-0.267 -0.083,0.006 -0.362,0.286 -0.362,-0.254 -0.356,-0.254 -0.356,-0.267
  Top lines w0.051: 0.508,0.191 0.317,0.191 ; 0.508,-0.178 0.318,-0.178 ; 0.47,0.152 0.279,0.152 ; 0.47,-0.14 0.279,-0.14 ; 0.445,-0.102 0.254,-0.102 ; 0.432,0.114 0.241,0.114 ; 0.419,-0.076 0.229,-0.076 ; 0.406,0.076 0.216,0.076 ; 0.394,-0.051 0.203,-0.051 ; 0.368,0.051 0.178,0.051 ; 0.356,-0.025 0.165,-0.025 ; 0.343,0.025 0.152,0.025 ; 0.33,0 0.14,0 ; -0.127,0.013 -0.318,0.013 ; -0.14,-0.013 -0.33,-0.013 ; -0.152,0.038 -0.343,0.038 ; -0.165,-0.038 -0.356,-0.038 ; -0.191,0.063 -0.381,0.063 ; -0.203,-0.064 -0.394,-0.064 ; -0.216,0.089 -0.406,0.089 ; -0.229,-0.102 -0.419,-0.102 ; -0.241,0.114 -0.432,0.114 ; -0.267,0.152 -0.457,0.152 ; -0.267,-0.14 -0.457,-0.14 ; -0.305,0.19 -0.495,0.19 ; -0.305,-0.178 -0.495,-0.178
  silkscreen extent -0.85,-0.4 0.85,0.4
FH35C_31P_0_6SHW [mil]
  rect 10x54 smd mask+2: 1(0,0) 2(11.81,113.18) 3(23.62,0) 4(35.43,113.18) 5(47.24,0) 6(59.05,113.18) 7(70.87,0) 8(82.68,113.18) 9(94.49,0) 10(106.3,113.18) 11(118.11,0) 12(129.92,113.18) 13(141.73,0) 14(153.54,113.18) 15(165.35,0) 16(177.17,113.18) 17(188.98,0) 18(200.79,113.18) 19(212.6,0) 20(224.41,113.18) 21(236.22,0) 22(248.03,113.18) 23(259.84,0) 24(271.65,113.18) 25(283.46,0) 26(295.28,113.18) 27(307.09,0) 28(318.9,113.18) 29(330.71,0) 30(342.52,113.18) 31(354.33,0)
  rect 15.75x59.06 smd mask+2.95: 32(381.89,13.18) 33(-27.56,13.18)
  silkscreen extent -42,-67 394,131
FPC15PIN-1.0MM-LS [mm]
  rect 0.6x1.775 smd: 1(0,0) 2(1,0) 3(2,0) 4(3,0) 5(4,0) 6(5,0) 7(6,0) 8(7,0) 9(8,0) 10(9,0) 11(10,0) 12(11,0) 13(12,0) 14(13,0) 15(14,0) 16(0,-3.125) 17(1,-3.125) 18(2,-3.125) 19(3,-3.125) 20(4,-3.125) 21(5,-3.125) 22(6,-3.125) 23(7,-3.125) 24(8,-3.125) 25(9,-3.125) 26(10,-3.125) 27(11,-3.125) 28(12,-3.125) 29(13,-3.125) 30(14,-3.125)
  silkscreen extent -3.57,-5.06 17.5,2.4
HDMIA19S [mm]
  rect 0.3x2.6 smd: 1(-4.5,0) 2(-4,0) 3(-3.5,0) 4(-3,0) 5(-2.5,0) 6(-2,0) 7(-1.5,0) 8(-1,0) 9(-0.5,0) 10(0,0) 11(0.5,0) 12(1,0) 13(1.5,0) 14(2,0) 15(2.5,0) 16(3,0) 17(3.5,0) 18(4,0) 19(4.5,0)
  oval 1.3x3.2 hole 0.787 slot 2.692 at 90 deg: 20(7.25,1) 21(-7.25,1)
  oval 1.3x2.2 hole 0.787 slot 1.676 at 90 deg: 22(-7.25,6.96) 23(7.25,6.96)
  silkscreen extent -7.5,0 7.5,9.45
HOLE_D5_3D [mm]
  round 3.8 hole 2.8: 1(0,0)
IND-5020 [mm]
  rect 1.4x2.8 smd: 1(-2.2,0) 2(2.2,0)
  silkscreen extent -2.7,-2.55 2.7,2.55
IND_3X3 [mm]
  rect 3x1.1 smd: 1(0,-0.95) 2(0,0.95)
  silkscreen extent -1.73,-1.71 1.72,1.72
IND_303015 [mil]
  rect 39x118 smd mask+3: 1(-44.85,0) 2(43.43,0)
  silkscreen extent -70,-65 70,65
L0402 [mm]
  rect 0.5x0.5 smd: 1(-0.45,0) 2(0.45,0)
  silkscreen extent -0.8,-0.35 0.8,0.35
LCD39PIN-OK [mil]
  rect 54x10 smd: 1(0,0) 2(-113.18,11.81) 3(0,23.62) 4(-113.18,35.43) 5(0,47.24) 6(-113.18,59.06) 7(0,70.87) 8(-113.18,82.68) 9(0,94.49) 10(-113.18,106.3) 11(0,118.11) 12(-113.18,129.92) 13(0,141.73) 14(-113.18,153.54) 15(0,165.35) 16(-113.18,177.17) 17(0,188.98) 18(-113.18,200.79) 19(0,212.6) 20(-113.18,224.41) 21(0,236.22) 22(-113.18,248.03) 23(0,259.84) 24(-113.18,271.65) 25(0,283.46) 26(-113.18,295.28) 27(0,307.09) 28(-113.18,318.9) 29(0,330.71) 30(-113.18,342.52) 31(0,354.33) 32(-113.18,366.14) 33(0,377.95) 34(-113.18,389.76) 35(0,401.57) 36(-113.18,413.39) 37(0,425.2) 38(-113.18,437.01) 39(0,448.82)
  rect 59.06x15.75 smd: 40(-13.18,476.38) 41(-13.18,-27.56)
  silkscreen extent -130,-33 63,483
LED0603 [mm]
  rect 0.8x0.8 smd: 1(-0.869,0.001) 2(0.869,-0.001)
  silkscreen extent -1.41,-0.65 1.41,0.65
M2_NGFF_KEY_E_1 [mm]
  rect 0.3x1.6 smd: 1(-9.25,3.725) 2(-9,-3.725) 3(-8.75,3.725) 4(-8.5,-3.725) 5(-8.25,3.725) 6(-8,-3.725) 7(-7.75,3.725) 8(-7.5,-3.725) 9(-7.25,3.725) 10(-7,-3.725) 11(-6.75,3.725) 12(-6.5,-3.725) 13(-6.25,3.725) 14(-6,-3.725) 15(-5.75,3.725) 16(-5.5,-3.725) 17(-5.25,3.725) 18(-5,-3.725) 19(-4.75,3.725) 20(-4.5,-3.725) 21(-4.25,3.725) 22(-4,-3.725) 23(-3.75,3.725) 32(-1.5,-3.725) 33(-1.25,3.725) 34(-1,-3.725) 35(-0.75,3.725) 36(-0.5,-3.725) 37(-0.25,3.725) 38(0,-3.725) 39(0.25,3.725) 40(0.5,-3.725) 41(0.75,3.725) 42(1,-3.725) 43(1.25,3.725) 44(1.5,-3.725) 45(1.75,3.725) 46(2,-3.725) 47(2.25,3.725) 48(2.5,-3.725) 49(2.75,3.725) 50(3,-3.725) 51(3.25,3.725) 52(3.5,-3.725) 53(3.75,3.725) 54(4,-3.725) 55(4.25,3.725) 56(4.5,-3.725) 57(4.75,3.725) 58(5,-3.725) 59(5.25,3.725) 60(5.5,-3.725) 61(5.75,3.725) 62(6,-3.725) 63(6.25,3.725) 64(6.5,-3.725) 65(6.75,3.725) 66(7,-3.725) 67(7.25,3.75) 68(7.5,-3.725) 69(7.75,3.725) 70(8,-3.725) 71(8.25,3.725) 72(8.5,-3.725) 73(8.75,3.725) 74(9,-3.725) 75(9.25,3.725)
  rect 1.2x2.8 smd: 76(10.35,3.025) 77(-10.35,3.025)
  round 1.2 hole 1.2 unplated: 78(-10,-1.475)
  round 1.7 hole 1.7 unplated: 79(10,-1.475)
  silkscreen extent -10.97,-31.58 10.97,4.84
MCZ1210AH900L2 [mm]
  rect 0.3x0.5 smd: 1(0,0) 2(0.55,0) 3(0.55,1.2) 4(0,1.2)
  silkscreen extent -0.25,0 0.8,1.25
MLP14_2R50X2R50X0R80 [mm]
  rect 0.6x0.3 smd: 1(-1.21,0.5) 2(-1.21,0) 3(-1.21,-0.5) 8(1.21,-0.5) 9(1.21,0) 10(1.21,0.5)
  rect 0.3x0.6 smd: 4(-0.75,-1.21) 5(-0.25,-1.21) 6(0.25,-1.21) 7(0.75,-1.21) 11(0.75,1.21) 12(0.25,1.21) 13(-0.25,1.21) 14(-0.75,1.21)
  rect 1.45x1.45 smd: 15(0,0)
  silkscreen extent -2.48,-1.25 1.25,1.25
MSOP8 [mm]
  rect 1x0.4 smd: 1(-2.4,0.947) 2(-2.4,0.297) 3(-2.4,-0.353) 4(-2.4,-1.003) 5(2.4,-1.003) 6(2.4,-0.353) 7(2.4,0.297) 8(2.4,0.947)
  silkscreen extent -3.91,-1.52 3.05,1.52
PJ-327A [mm]
  round 1.5 hole 1.5: 1(0,0) 8(7,0)
  oval 2x1.2 / inner oval 1.6x0.8 / far side oval 2x1.2 hole 0.686 slot 1.499 at 0 deg: 2(-0.2,2.05) 5(-0.2,-2.65)
  rect 1.3x2 smd: 3(6.8,3.55) 4(9.1,3.55) 6(3.1,-3.55) 7(8.6,-3.55)
  silkscreen extent -4.59,-3.2 9.61,3.2
QFN12_2R00X3R00X1R00 [mm]
  rect 1.5x0.25 smd: 1(-0.55,0.5) 2(-0.55,-0.5) 7(0.55,0)
  rect 0.25x0.7 smd: 3(-0.75,-1.45) 4(-0.25,-1.45) 5(0.25,-1.45) 6(0.75,-1.45) 9(0.75,1.45) 10(0.25,1.45) 11(-0.25,1.45) 12(-0.75,1.45)
  rect 0.7x0.25 smd: 8(0.95,0.5)
  silkscreen extent -1.81,-1.5 1,1.5
QFN24 [mm]
  oval 0.25x1 smd: 1(-1.25,-2.2) 2(-0.75,-2.2) 3(-0.25,-2.2) 4(0.25,-2.2) 5(0.75,-2.2) 6(1.25,-2.2) 13(1.25,2.2) 14(0.75,2.2) 15(0.25,2.2) 16(-0.25,2.2) 17(-0.75,2.2) 18(-1.25,2.2)
  oval 1x0.25 smd: 7(2.2,-1.25) 8(2.2,-0.75) 9(2.2,-0.25) 10(2.2,0.25) 11(2.2,0.75) 12(2.2,1.25) 19(-2.2,1.25) 20(-2.2,0.75) 21(-2.2,0.25) 22(-2.2,-0.25) 23(-2.2,-0.75) 24(-2.2,-1.25)
  rrect100% 0.6x0.6 smd: 25(-0.037,-0.041)
  Top region: -1.253,0.95 -1.242,1.028 -1.212,1.101 -1.164,1.164 -1.101,1.212 -1.028,1.242 -0.95,1.253 -0.95,1.25 0.95,1.253 1.028,1.242 1.101,1.212 1.164,1.164 1.212,1.101 1.242,1.028 1.253,0.95 1.25,0.95 1.253,-0.95 1.242,-1.028 1.212,-1.101 1.164,-1.164 1.101,-1.212 1.028,-1.242 0.95,-1.253 0.95,-1.25 -0.95,-1.253 -1.028,-1.242 -1.101,-1.212 -1.164,-1.164 -1.212,-1.101 -1.242,-1.028 -1.253,-0.95 -1.25,-0.95 -1.25,0.95
  silkscreen extent -2.03,-2.98 2.01,2
QFN32P4X4 [mm]
  rect 0.75x0.23 smd: 1(-2.025,1.4) 2(-2.025,1) 3(-2.025,0.6) 4(-2.025,0.2) 5(-2.025,-0.2) 6(-2.025,-0.6) 7(-2.025,-1) 8(-2.025,-1.4) 17(2.025,-1.4) 18(2.025,-1) 19(2.025,-0.6) 20(2.025,-0.2) 21(2.025,0.2) 22(2.025,0.6) 23(2.025,1) 24(2.025,1.4)
  rect 0.23x0.75 smd: 9(-1.4,-1.95) 10(-1,-1.95) 11(-0.6,-1.95) 12(-0.2,-1.95) 13(0.2,-1.95) 14(0.6,-1.95) 15(1,-1.95) 16(1.4,-1.95) 25(1.4,1.95) 26(1,1.95) 27(0.6,1.95) 28(0.2,1.95) 29(-0.2,1.95) 30(-0.6,1.95) 31(-1,1.95) 32(-1.4,1.95)
  rect 2.2x2.2 smd: 33(0,0)
  silkscreen extent -3.1,-2 2,2
R0201 [mm]
  rect 0.3x0.3 smd: 1(-0.25,0) 2(0.25,0)
  silkscreen extent -0.5,-0.25 0.5,0.25
R0402 [mm]
  rect 0.5x0.5 smd: 1(-0.4,0) 2(0.4,0)
  silkscreen extent -0.8,-0.4 0.8,0.4
R0603 [mm]
  rect 0.7x0.9 smd: 1(-0.7,0) 2(0.7,0)
  silkscreen extent -1.2,-0.6 1.2,0.6
R1206 [mm]
  rect 1.4x1.6 smd mask+0.05: 1(-1.3,0) 2(1.3,0)
  silkscreen extent -2.2,-1 2.2,1
RJ45_HRK1 [mm]
  rect 1.524x1.524 hole 0.9 mask+0.05: 1(0,0)
  round 1.524 / inner round 1.1 / far side round 1.524 hole 0.9 mask+0.05: 2(1.27,-2.54) 3(2.54,0) 4(3.81,-2.54) 5(5.08,0) 6(6.35,-2.54) 7(7.62,0) 8(8.89,-2.54) 9(10.16,0) 10(11.43,-2.54) 11(0,-5.06) 12(2.54,-6.33) 13(8.89,-6.33) 14(11.43,-5.06) 18(12.36,-12.95)
  round 1.524 hole 1.02 mask+0.05: 15(-0.92,-12.95) 16(1.62,-12.95) 17(9.82,-12.95)
  round 2 / inner round 2.2 / far side round 2.2 hole 1.6 mask+0.15: 19(-2.13,-5.84) 20(13.57,-5.84)
  round 3.25 hole 3.25: 21(0.005,-8.89) 22(11.435,-8.89)
  silkscreen extent -2.33,-19.64 13.77,1.71
SMD_1D25X2PIN_90 [mm]
  rect 0.8x1.6 smd: 1(-1.25,0) 2(0,0)
  rect 2.1x3 smd: 3(-3.85,2.82) 4(2.6,2.82)
  silkscreen extent -5,-0.9 3.72,4.47
SMD_TCM0605T [mm]
  rect 0.3x0.23 smd: 1(0,0) 2(0,-0.48) 3(0.55,-0.48) 4(0.55,0)
  silkscreen extent -0.25,-0.65 0.75,0.2
SOD_123 [mm]
  rect 1x1 smd: 1(-1.8,0) 2(1.8,0)
  silkscreen extent -1.11,-0.9 1.13,0.9
SOD_323 [mm]
  rect 0.8x0.6 smd mask+0.05: 1(-1.2,0) 2(1.2,0)
  silkscreen extent -0.67,-0.65 0.64,0.65